# Altium PCB ArmMainControler.PcbDoc (part 2 of 2)
Units mil, origin at the board's own origin, x right, y up, seen from the top; angles counter-clockwise.
Board outline 2865 x 2585 mil, 4 copper layers (Top Layer, Signal, GND, Bottom Layer), stack 23.756 mil thick; 128 components, 137 nets, 490 pads, 288 vias.
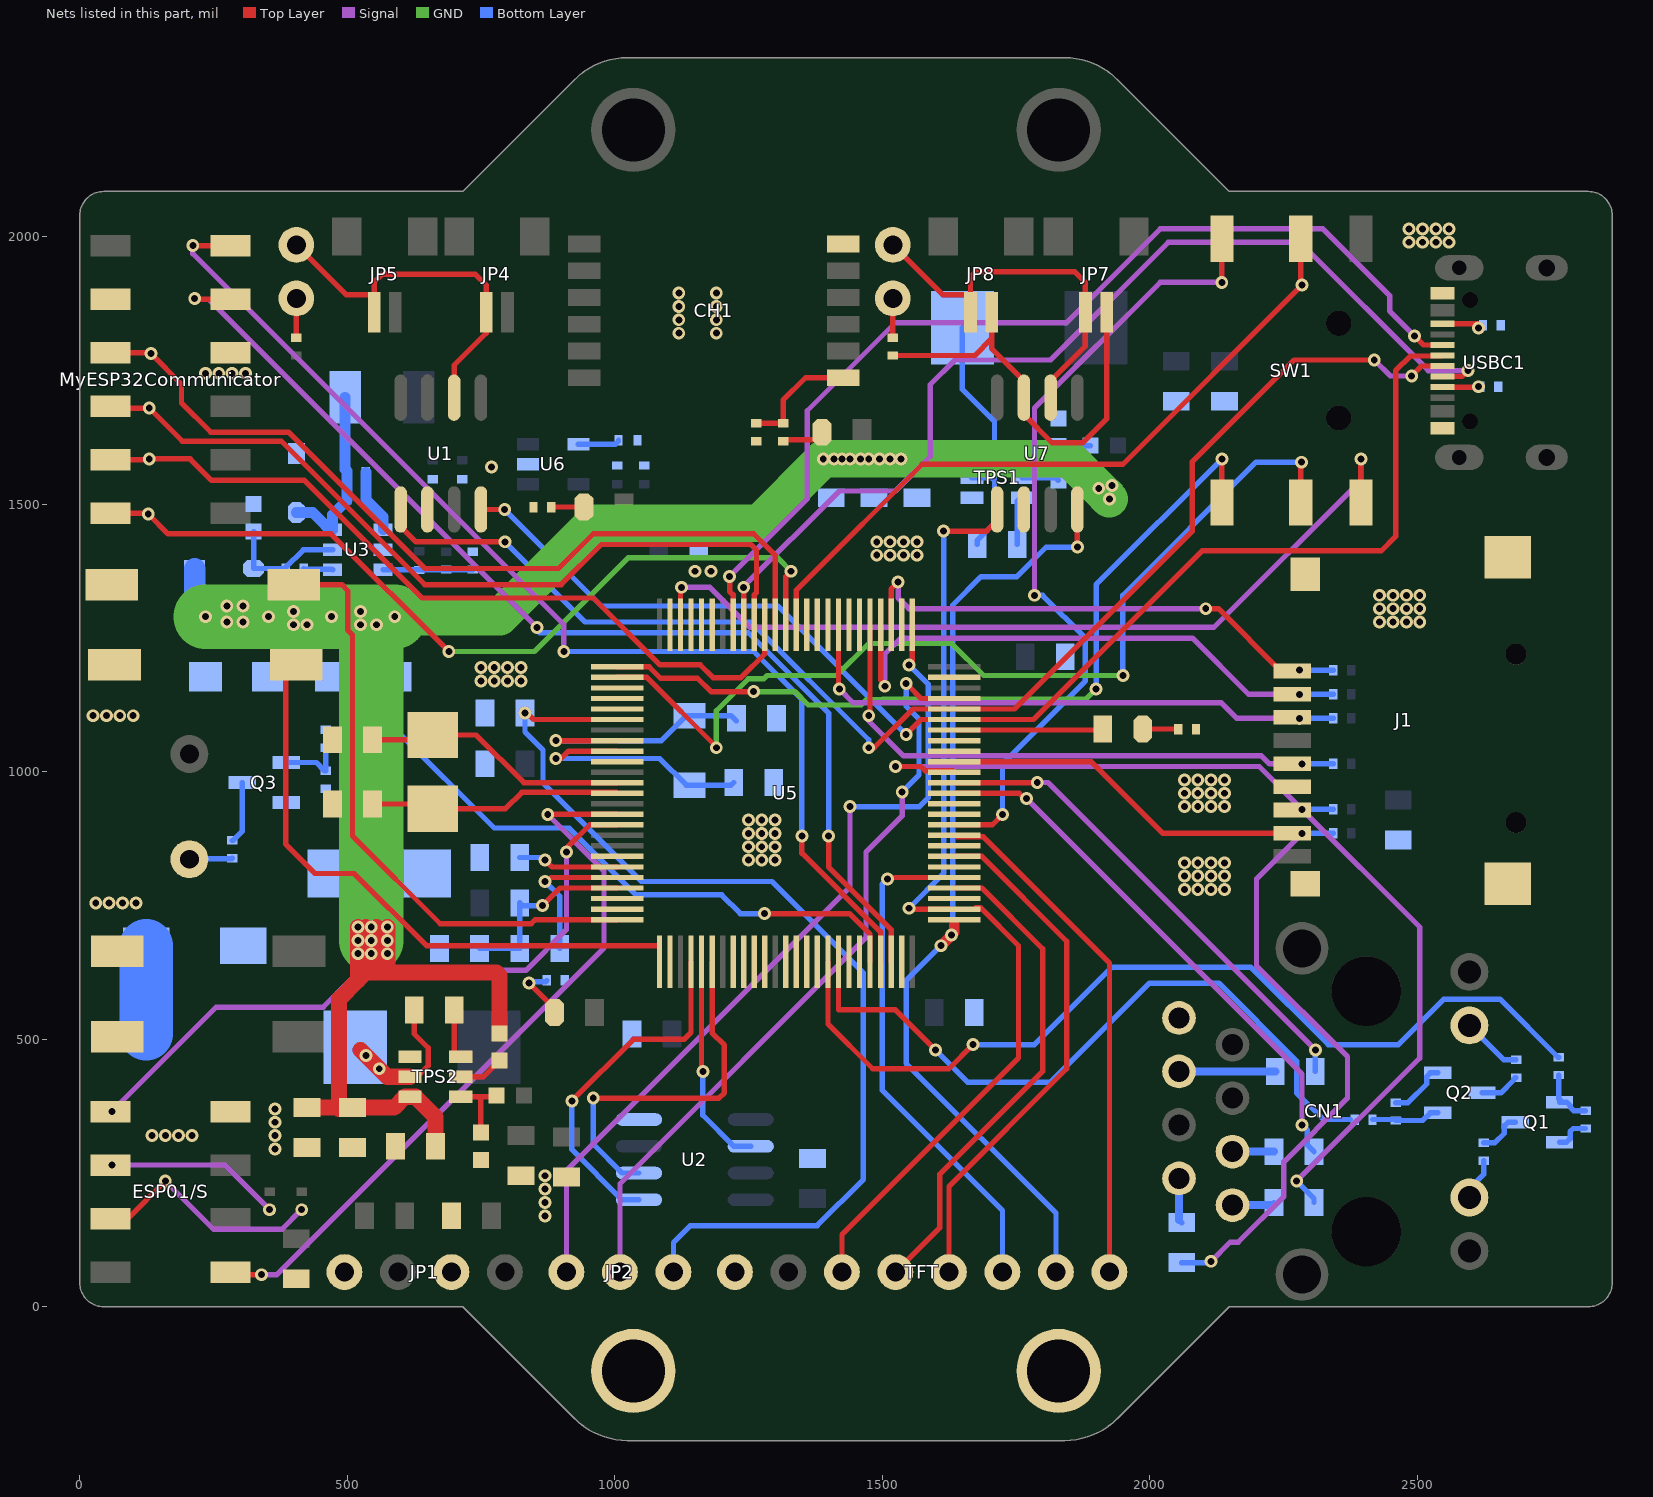
[diagram p4: the nets of this part, all layers, seen from the top]

## Via types
v1: diameter 24, hole 13, Top Layer to Bottom Layer, tented both sides, 288 vias

## Nets (pads, with @x,y where several pads share a name; then routed paths per layer and width w, separated by ;. In a path a pad name is that pad's centre, name@x,y a point inside that pad or via, vN(x,y) a via of type N, cw(c..) or ccw(c..) an arc to the next point about the centre after c; other vN are vias at no path point) (continued)
CAN_H2: JP7.2 JP8.2 R37.1 U7.7 | length 808.4
  Top Layer w10: R37.1@1520,1778.27 1673.27,1778.27 1704.68,1809.68 ; JP8.2@1704.68,1859.13 1704.68,1809.68 ; JP7.2@1919.69,1859.13 1919.69,1659.68 1875,1615 1817.99,1615 1765,1667.99 U7.7@1765,1699.49 1765,1730.98 1704.68,1791.3 1704.68,1809.68
CAN_L1: JP3.2 JP4.1 JP5.1 U1.6 | length 702.9
  Top Layer w10: JP3.2@405,1985 498.46,1891.54 543.5,1891.54 JP5.1@550.32,1884.73 ; JP5.1@550.32,1859.14 JP5.1@550.32,1884.73 ; U1.6@700,1699.49 700,1760 760,1820 JP4.1@760,1858.82 ; JP4.1@760.32,1859.14 JP4.1@760,1858.82 ; JP5.1@550.32,1884.73 550.32,1915.31 565,1930 740,1930 760,1910 JP4.1@760,1858.82
CAN_L2: JP6.2 JP7.1 JP8.1 U7.6 | length 722.9
  Top Layer w10: JP6.2@1520,1985 1613.46,1891.54 1658.5,1891.54 JP8.1@1665.32,1884.73 ; JP8.1@1665.32,1859.14 JP8.1@1665.32,1884.73 ; U7.6@1815,1699.49 1815,1730.98 1880,1795.98 JP7.1@1880,1858.82 ; JP7.1@1880.31,1859.14 JP7.1@1880,1858.82 ; JP8.1@1665.32,1884.73 1665.32,1925.31 1675,1935 1860,1935 1880,1915 JP7.1@1880,1858.82
CAN_RX1: U1.4 U5.70 USBC1.A7 | length 2447.5
  Top Layer w10: U1.4@750,1490.51 v1(794.49,1490.51) v1@795,1490 ; v1(1545,1070) 1572.8,1097.8 U5.70@1634.96,1097.8 1782.8,1097.8 2098.1,1413.1 2433.1,1413.1 2460,1440 2460,1750 2487.38,1777.38 2546.71,1777.38 USBC1.A7@2547.62,1778.29
  Bottom Layer w10: v1(794.49,1490.51) 975,1310 1305,1310 v1(1545,1070)
CAN_RX2: TFT.2 U5.51 U7.4 | length 1769.3
  Top Layer w10: v1(1865,1420) U7.4@1865,1490.51
  Top Layer w20: v1(1610,675) v1(1630,695) 1634.96,699.96 1634.96,715
  Bottom Layer w10: v1(1610,675) 1545,610 1545,455 1825,175 TFT.2@1825,65 ; v1(1630,695) 1632,697 1632,1312 1685,1365 1751.87,1365 1806.87,1420 v1(1865,1420)
CAN_TX1: U1.1 U5.71 USBC1.A6 | length 2555.9
  Top Layer w10: U1.1@600,1490.51 600,1459.02 629.02,1430 v1(795,1430) ; v1(1475,1045) 1485,1045 1557.48,1117.48 U5.71@1634.96,1117.48 1747.48,1117.48 2080,1450 2080,1580 2270,1770 v1(2420,1770) ; v1(2490,1740) 2508.61,1758.61 USBC1.A6@2547.56,1758.61
  Signal w10: v1(2420,1770) 2450,1740 v1(2490,1740)
  Bottom Layer w10: v1(795,1430) 945,1280 1255,1280 1475,1060 v1(1475,1045)
CAN_TX2: TFT.6 U5.52 U7.1 | length 1802.7
  Top Layer w10: TFT.6@1425,65 1425,135 1755,465 1755,674.92 1683.77,746.15 U5.52@1675,746.15 ; v1(1550,745) 1551.54,743.46 U5.52@1634.96,743.46 ; v1(1615,1450) 1695.52,1450 1715,1469.48 U7.1@1715,1490.51
  Bottom Layer w10: v1(1550,745) 1615,810 v1(1615,1450)
EGreen_LED: CN1.10 R15.1 | length 80.1
  Bottom Layer w10: CN1.10@2597.91,204.37 2597.91,220.84 2625,247.92 R15.1@2625,273.27
EYellow_LED: CN1.11 R16.2 | length 113.7
  Bottom Layer w10: CN1.11@2597.91,526.03 2662.2,461.73 R16.2@2685,461.73
flash_CLK: U2.6 U5.30 | length 401.6
  Top Layer w10: U5.30@1162.52,645.04 1162.52,446.27 1165,443.79 v1(1165,440)
  Bottom Layer w10: v1(1165,440) 1165,357.99 1222.99,300 U2.6@1254.49,300
flash_CS: U2.1 U5.29 | length 662.5
  Top Layer w10: v1@920.62,385.63 1035,500 1130,500 1142.83,512.83 U5.29@1142.83,645.04
  Bottom Layer w10: v1(920,385) 920,294.02 1014.02,200 U2.1@1045.51,200
flash_MISO: U2.2 U5.31 | length 697.5
  Top Layer w10: v1(960,390) 1195,390 1205,400 1205,489.02 1182.2,511.81 U5.31@1182.2,645.04
  Bottom Layer w10: v1(960,390) 960,304.02 1014.02,250 U2.2@1045.51,250
GND: BOOT1.1 BUTTON1.1 BUTTON2.1 C1.2 C2.1 C3.1 C4.1 C5.1 C9.2 C10.1 C11.1 C16.2 C17.2 C18.2 C19.2 C20.2 C21.2 C22.2 C23.1 C24.1 C25.1 C26.1 C27.1 C28.1 C29.1 C30.1 C31.1 C32.1 C33.1 C35.2 C36.2 C37.2 C39.1 C40.1 C41.1 C42.2 C43.2 CH1.6 CN1.8 D2.1 D3.1 ESP01/S.8 J1.6 J1.10 JP1.2 JP1.4 MyESP32Communicator.4 MyESP32Communicator.5 pad.@1035,-120 pad.@1830,-120 Q1.2 Q2.2 Q3.2 R2.1 R4.1 R5.1 R8.1 R14.1 R17.1 R18.1 R24.1 R25.1 R28.2 R35.2 R36.1 R40.1 RELOAD.1 RST.1 TFT.8 TPS1.1 TPS2.1 U1.2 U2.4 U3.2 U5.10 U5.19 U5.27 U5.49 U5.74 U5.99 U6.2 U7.2 USBC1.A1 USBC1.A12 USBC1.B1 USBC1.B12 | length 176.7
  Bottom Layer w10: R18.1@2460,381.73 2482.99,381.73 2518.07,416.81 2518.07,430.59 2524.88,437.4 Q2.2@2538.66,437.4 ; Q1.2@2766.34,307.6 2779.34,307.6 2786.15,314.41 2786.15,327.41 2792.01,333.27 R17.1@2815,333.27
  other v1: 870,170 870,195 870,220 870,245 365,295 135,320 160,320 185,320 210,320 365,320 365,345 365,370 30,755 55,755 80,755 105,755 2065,780 2090,780 2115,780 2140,780 2065,805 2090,805 2115,805 2140,805 2065,830 2090,830 2115,830 2140,830 1250,835 1275,835 1300,835 1250,860 1275,860 1300,860 1250,885 1275,885 1300,885 1250,910 1275,910 1300,910 2065,935 2090,935 2115,935 2140,935 2065,960 2090,960 2115,960 2140,960 2065,985 2090,985 2115,985 2140,985 25,1105 50,1105 75,1105 100,1105 750,1170 775,1170 800,1170 825,1170 750,1195 775,1195 800,1195 825,1195 2430,1280 2455,1280 2480,1280 2505,1280 2430,1305 2455,1305 2480,1305 2505,1305 2430,1330 2455,1330 2480,1330 2505,1330 1150,1375 1180,1375 1490,1405 1515,1405 1540,1405 1565,1405 1490,1430 1515,1430 1540,1430 1565,1430 770,1570 235,1745 260,1745 285,1745 310,1745 1120,1820 1190,1820 1120,1845 1190,1845 1120,1870 1190,1870 1120,1895 1190,1895 2485,1990 2510,1990 2535,1990 2560,1990 2485,2015 2510,2015 2535,2015 2560,2015
MyESP-CS: MyESP32Communicator.12 U5.88 | length 1568.9
  Top Layer w10: MyESP32Communicator.12@57.8,1483.61 126.39,1483.61 v1@130,1480 ; v1(128.2,1481.8) 165,1445 470,1445 v1(690,1225) ; U5.88@1320,1274.96 1320,1365 v1(1330,1375)
  GND w10: v1(690,1225) 850,1225 1025,1400 1305,1400 v1(1330,1375)
MyESP-MISO: MyESP32Communicator.10 U5.90 | length 1465.6
  Top Layer w10: MyESP32Communicator.10@57.8,1583.61 128.61,1583.61 v1(130,1585) 206.36,1585 246.36,1545 420,1545 640,1325 960,1325 1085,1200 1160,1200 1184,1176 1236,1176 1280.63,1220.63 U5.90@1280.63,1274.96
MyESP-MOSI: MyESP32Communicator.8 U5.91 | length 1522.5
  Top Layer w10: MyESP32Communicator.8@57.8,1683.61 61.4,1680 v1(130,1680) 192,1618 377,1618 645,1350 900,1350 975,1425 1255,1425 1265.26,1414.74 1265.26,1335.06 1260.94,1330.74 U5.91@1260.94,1274.96
MyESP-RX: MyESP32Communicator.1 U5.47 | length 2151.9
  Top Layer w10: v1@210,1985 v1(211.39,1983.61) MyESP32Communicator.1@282.2,1983.61 ; v1(1350,880) 1350,848.06 1497.17,700.89 U5.47@1497.17,645.04
  Signal w10: v1(211.39,1983.61) 211.39,1968.61 905,1275 v1(905,1225)
  Bottom Layer w10: v1(905,1225) 1260,1225 1350,1135 v1(1350,880)
MyESP-SCLK: MyESP32Communicator.6 U5.89 | length 1606.1
  Top Layer w10: MyESP32Communicator.6@57.8,1783.61 131.39,1783.61 v1@135,1780 ; v1(133.2,1781.8) 190.44,1724.56 190.44,1689.56 245,1635 390.34,1635 645.34,1380 895,1380 960,1445 1260,1445 1300.32,1404.68 U5.89@1300.32,1274.96
MyESP-TX: MyESP32Communicator.3 U5.48 | length 2078
  Top Layer w10: v1(215,1885) 216.39,1883.61 MyESP32Communicator.3@282.2,1883.61 ; v1(1400,880) 1400,822.1 1516.85,705.25 U5.48@1516.85,645.04
  Signal w10: v1(215,1885) 217,1883 242,1883 v1(855,1270)
  Bottom Layer w10: v1@860,1260 1250,1260 1400,1110 v1(1400,880)
Net3V3_2: 3V3.2 R4.2 | length 110.1
  Top Layer w10: v1(840,605) 887.6,557.4 3V3.2@887.6,550
  Bottom Layer w10: v1(840,605) 842.5,607.5 870.77,607.5 R4.2@873.27,610
NetBLE_2: BLE.2 R43.2 | length 80.4
  Top Layer w10: R43.2@1315,1618.27 1317.74,1621.01 1375.1,1621.01 1387.6,1633.51 BLE.2@1387.6,1635
NetC6_1: C6.1 R1.1 R2.2 U3.3 | length 168
  Bottom Layer w10: U3.3@567.24,1377.6 567.58,1377.93 734.67,1377.93 R2.2@735,1378.27
NetC7_1: C7.1 C8.1 D3.2 L1.1 U3.6 | length 342.5
  Bottom Layer w20: D3.2@405,1484.88 435.75,1484.88 460.04,1460.59 460.04,1459.21 466.85,1452.4 U3.6@472.76,1452.4 472.76,1480.79 500,1508.03 C8.1@500,1510 499.79,1510.22 499.79,1559.78 C7.1@499.57,1560 499.57,1561.97 496.1,1565.43 L1.1@496.1,1700
NetC7_2: C7.2 C8.2 U3.1 | length 121
  Bottom Layer w20: C7.2@535,1560 535.21,1559.79 535.21,1510.22 C8.2@535.43,1510 535.43,1508.04 567.24,1476.22 U3.1@567.24,1452.4
NetC11_2: C11.2 D4.2 R3.2 U3.5 | length 232.7
  Bottom Layer w10: C11.2@325,1449.41 325.12,1449.3 D4.2@325.12,1380 R3.2@385,1380 385,1381.97 418.03,1415 U3.5@472.76,1415
NetC30_2: C30.2 U6.4 | length 79.3
  Bottom Layer w10: U6.4@932.24,1612.4 1001.66,1612.4 1007.29,1618.03 C30.2@1007.29,1620
NetC34_1: C34.1 L2.1 TPS1.2 | length 487.9
  Bottom Layer w10: L2.1@1650,1830 1650,1715 1710,1655 1710,1544.14 ; TPS1.2@1667.76,1550 1704.14,1550 1710,1544.14 ; C34.1@1677.6,1425 1677.6,1432.5 1710,1464.91 1710,1544.14
NetC34_2: C34.2 TPS1.6 | length 93.5
  Bottom Layer w10: C34.2@1752.4,1425 1752.4,1505.79 1759.21,1512.6 TPS1.6@1762.24,1512.6
NetC38_1: C38.1 L3.1 TPS2.2 | length 270.9
  Top Layer w10: TPS2.2@617.76,430 624.57,436.81 637.6,436.81 651.41,450.62 651.41,484.18 625.2,510.4 C38.1@625.2,555
  Top Layer w30: 525,480 575,430 TPS2.2@617.76,430
  other v1: 560,445 535,470
NetC38_2: C38.2 TPS2.6 | length 95.9
  Top Layer w10: C38.2@700,555 700,474.21 706.81,467.4 TPS2.6@712.24,467.4
NetCH1_1: CH1.1 R43.1 RELOAD.2 | length 222.7
  Top Layer w10: RELOAD.2@1265,1651.73 R43.1@1315,1651.73 1315,1695 1356.76,1736.76 CH1.1@1427.13,1736.76
NetCN1_1: CN1.1 R10.2 | length 79.7
  Bottom Layer w10: R10.2@2227.6,190 R10.2@2232.6,195
  Bottom Layer w15: CN1.1@2155,190 R10.2@2227.6,190
NetCN1_2: CN1.2 R11.2 | length 84.7
  Bottom Layer w10: R11.2@2055,162.4 R11.2@2060,157.4
  Bottom Layer w15: R11.2@2055,162.4 CN1.2@2055,240
NetCN1_3: CN1.3 R12.2 | length 77.6
  Bottom Layer w15: CN1.3@2155,290 R12.2@2232.6,290
NetCN1_6: CN1.6 R13.2 | length 180
  Bottom Layer w15: CN1.6@2055,440 R13.2@2235,440
NetCORE_2: CORE.2 R14.2 | length 60.9
  Top Layer w10: R14.2@881.73,1495 CORE.2@942.6,1495
NetESP01/S_3: ESP01/S.3 R38.2 | length 438.6
  Top Layer w10: ESP01/S.3@57.8,165 90,165 v1(160,235)
  Signal w10: v1(160,235) 250,145 378.46,145 v1(415,181.54)
NetESP01/S_5: ESP01/S.5 R39.2 | length 329.6
  Signal w10: v1(60,265) 271.54,265 v1(355,181.54)
NetJP3_1: JP3.1 R21.2 | length 73.3
  Top Layer w10: R21.2@405,1811.73 JP3.1@405,1885
NetJP6_1: JP6.1 R37.2 | length 73.3
  Top Layer w10: R37.2@1520,1811.73 JP6.1@1520,1885
NetLED1_2: BLINK.2 R28.1 | length 65.9
  Top Layer w10: BLINK.2@1987.4,1080 R28.1@2053.27,1080
NetLS1_2: LS1.2 R23.2 | length 80.7
  Bottom Layer w10: LS1.2@205,836.58 205.85,837.42 284.15,837.42 R23.2@285,838.27
NetQ1_1: Q1.1 R17.2 R19.2 | length 112
  Bottom Layer w10: R19.2@2765,433.27 2765,389.21 Q1.1@2771.81,382.4 ; Q1.1@2766.34,382.4 Q1.1@2771.81,382.4 ; Q1.1@2773.23,382.4 Q1.1@2771.81,382.4 ; R17.2@2815,366.73 2792.79,366.73 2786.93,372.59 2786.93,375.59 2780.12,382.4 Q1.1@2771.81,382.4
NetQ1_3: Q1.3 R15.2 | length 82.6
  Bottom Layer w10: R15.2@2625,306.73 2645.39,306.73 2663.07,324.41 2663.07,338.19 2669.88,345 Q1.3@2683.66,345
NetQ2_1: Q2.1 R18.2 R20.2 | length 138.6
  Bottom Layer w10: R20.2@2416.73,350 2468.27,350 2470,348.27 ; R18.2@2460,348.27 2470,348.27 ; Q2.1@2538.66,362.6 2524.88,362.6 2510.55,348.27 2470,348.27
NetQ2_3: Q2.3 R16.1 | length 76.5
  Bottom Layer w10: Q2.3@2621.34,400 2656.73,400 2680.16,423.43 2680.16,425.39 2683.03,428.27 R16.1@2685,428.27
NetQ3_1: Q3.1 R22.2 R24.2 | length 123.4
  Bottom Layer w10: Q3.1@386.34,1017.4 442.36,1017.4 458.03,1001.73 R24.2@460,1001.73 R22.2@460,1045
NetQ3_3: Q3.3 R23.1 | length 117.2
  Bottom Layer w10: R23.1@285,871.73 286.97,871.73 303.66,888.43 Q3.3@303.66,980
NetR3_1: R3.1 U3.4 | length 55.3
  Bottom Layer w10: R3.1@418.46,1380 419.67,1378.8 471.56,1378.8 U3.4@472.76,1377.6
NetR25_2: R25.2 R26.2 TPS1.4 | length 136.5
  Bottom Layer w10: TPS1.4@1762.24,1587.4 1807.99,1587.4 R25.2@1830,1609.41 1888.83,1609.41 R26.2@1889.41,1610
NetR27_1: R27.1 TPS1.5 | length 69.2
  Bottom Layer w10: TPS1.5@1762.24,1550 1824.41,1550 R27.1@1829.41,1545
NetR35_1: R35.1 USBC1.B5 | length 73.4
  Top Layer w10: USBC1.B5@2547.56,1837.35 2612.65,1837.35 2615,1835 v1(2615,1830)
NetR36_2: R36.2 USBC1.A5 | length 67.8
  Top Layer w10: USBC1.A5@2547.56,1719.24 2614.24,1719.24 v1(2615,1720)
NetR40_2: R40.2 R41.2 TPS2.4 | length 137.4
  Top Layer w10: TPS2.4@712.24,392.6 744.63,392.6 ; R40.2@750,325.59 750,387.22 744.63,392.6 ; R41.2@779.41,395 777.01,392.6 744.63,392.6
NetR42_1: R42.1 TPS2.5 | length 85.2
  Top Layer w10: TPS2.5@712.24,430 755,430 R42.1@785,460
OSC32_IN: C23.2 U5.8 X1.2 | length 476
  Top Layer w10: v1(890,1058.43) U5.8@1005.04,1058.43
  Bottom Layer w10: v1(890,1058.43) 1087.56,1058.43 1134.09,1104.96 X1.2@1140,1104.96 1217.64,1104.96 C23.2@1227.6,1095
OSC32_OUT: C24.2 U5.9 X1.1 | length 476.1
  Top Layer w10: v1(890,1025) 900,1025 913.74,1038.74 U5.9@1005.04,1038.74
  Bottom Layer w10: v1(890,1025) 1084.13,1025 1134.09,975.04 X1.1@1140,975.04 1217.64,975.04 C24.2@1222.6,980
OSC_IN: C25.2 U5.12 X2.2 | length 498.3
  Top Layer w10: C25.2@547.4,1060 651.1,1060 X2.2@660,1068.9 741.1,1068.9 830.32,979.69 U5.12@1005.04,979.69
OSC_OUT: C26.2 U5.13 X2.1 | length 474.7
  Top Layer w10: C26.2@547.4,940 651.11,940 X2.1@660,931.1 796.1,931.1 826.66,961.66 1003.38,961.66 U5.13@1005.04,960
PA0: U5.23
PA1: U5.24
PA2: BUTTON1.2 U5.25 | length 1134.5
  Top Layer w10: BUTTON1.2@400,1350 490,1350 501,1339 501,1265.06 510,1256.06 510,880 674,716 844.05,716 851.83,723.78 U5.25@1005.04,723.78
PA3: BUTTON2.2 U5.26 | length 1150.7
  Top Layer w10: BUTTON2.2@405,1200 385,1180 385,865 440,810 513.18,810 648.18,675 1083.78,675 U5.26@1083.78,645.04
PA8: U5.67
PA9: U5.68
PA10: BLINK.1 U5.69 | length 278.4
  Top Layer w10: U5.69@1634.96,1078.11 1910.71,1078.11 BLINK.1@1912.6,1080
PA14: JP2.3 U5.76 | length 1583.6
  Top Layer w10: v1(1550,1200) 1556.22,1206.22 U5.76@1556.22,1274.96
  Signal w10: JP2.3@910,65 910,255 1440,785 v1(1440,935)
  Bottom Layer w10: v1(1440,935) 1570,935 1586,951 1586,1164 v1(1550,1200)
PA15: U5.77
PB0: U5.35
PB1: U5.36
PB6: U5.92 USBC1.B7 | length 1921.6
  Top Layer w10: U5.92@1241.26,1274.96 v1(1241.26,1345) ; USBC1.B7@2547.62,1738.92 2583.92,1738.92 v1(2595,1750)
  Signal w10: v1(1241.26,1345) 1241.26,1346.26 1420,1525 1525,1525 1590,1590 1590,1724.14 1635.86,1770 1815,1770 2035,1990 2281.06,1990 2521.06,1750 v1(2595,1750)
PB7: U5.93 USBC1.B6 | length 1898.1
  Top Layer w10: v1(1215,1365) 1215,1337.32 1221.57,1330.74 U5.93@1221.57,1274.96 ; v1(2495,1815) 2512.02,1797.98 USBC1.B6@2547.56,1797.98
  Signal w10: v1(1215,1365) 1360,1510 1360,1675 1524.54,1839.54 1844.54,1839.54 2020,2015 2323.94,2015 2448.63,1890.31 2448.63,1861.37 v1(2495,1815)
PB8: U5.95
PB9: U5.96
PB14: U5.53
PB15: TFT.5 U5.54 | length 930.3
  Top Layer w10: TFT.5@1525,65 1608,148 1608,248 1800,440 1800,669.29 1686.46,782.83 U5.54@1634.96,782.83
PC0: ESP01/S.2 U5.15 | length 1375.7
  Top Layer w10: ESP01/S.2@282.2,65 287.2,60 v1(340,60) ; v1(875,920) 875.63,920.63 U5.15@1005.04,920.63
  Signal w10: v1(340,60) 368.94,60 980,671.06 980,815 v1(875,920)
PC1: ESP01/S.7 U5.16 | length 1256.3
  Top Layer w10: v1(910,850) 910,857.4 953.54,900.95 U5.16@1005.04,900.95
  Signal w10: v1(60,365) 255,560 455,560 524,629 834,629 910,705 v1(910,850)
PC4: U5.33
PC5: U5.34
PC6: R12.1 U5.63 | length 1021.8
  Top Layer w10: U5.63@1634.96,960 1756.21,960 1766.21,950 v1(1770,950)
  Signal w10: v1(1770,950) 2285,435 v1(2285,340)
  Bottom Layer w10: v1(2285,340) 2294.9,330.1 2294.9,302.5 R12.1@2307.4,290
PC7: R13.1 U5.64 | length 922.4
  Top Layer w10: U5.64@1634.96,979.69 1789.69,979.69 v1(1790,980)
  Signal w10: v1(1790,980) 1810,980 v1(2310,480)
  Bottom Layer w10: R13.1@2309.8,440 2309.8,479.8 v1(2310,480)
PC8: J1.7 R10.1 R33.1 U5.65 | length 1900.7
  Top Layer w10: v1(1525,1010) 1572.83,1010 1580.78,1002.06 1632.28,1002.06 U5.65@1634.96,999.37
  Signal w10: v1(1525,1010) 2205,1010 v1(2285,930) 2505,710 2505,464.9 v1(2275,234.9)
  Bottom Layer w10: v1@2275,235 v1(2275,234.9) 2307.4,202.5 R10.1@2307.4,195 ; v1(2285,930) R33.1@2343.27,930
PC9: J1.8 R11.1 R34.1 U5.66 | length 1821.3
  Top Layer w10: U5.66@1634.96,1019.06 1890.83,1019.06 2024.53,885.35 J1.8@2266.61,885.35
  Signal w10: v1(2115,85) 2150.61,120.61 2165.57,120.61 2251,206.04 2251,271 2370,390 2370,467.5 2200,637.5 2200,800 v1(2285,885)
  Bottom Layer w10: R11.1@2060,82.6 2112.6,82.6 v1(2115,85) ; v1(2285,885) R34.1@2343.27,885
PC10: J1.1 R29.1 U5.78 | length 971.9
  Top Layer w10: U5.78@1516.85,1274.96 1516.85,1341.85 v1(1530,1355) ; v1(2105,1305) 2128.46,1305 2244.96,1188.5 J1.1@2266.61,1188.5
  Signal w10: v1(1530,1355) 1530,1325 1550,1305 v1(2105,1305)
  Bottom Layer w10: v1(2280,1190) R29.1@2343.27,1190
PC11: J1.2 R30.1 U5.79 | length 1072.4
  Top Layer w10: U5.79@1497.17,1274.96 1497.17,1171.62 1505,1163.79 v1(1505,1160)
  Signal w10: v1(1505,1160) 1505,1220 1535,1250 2080,1250 2185,1145 v1(2280,1145)
  Bottom Layer w10: v1(2280,1145) R30.1@2343.27,1145
PC12: J1.5 R32.1 U5.80 | length 1082.4
  Top Layer w10: v1(1475,1105) 1477.48,1107.48 U5.80@1477.48,1274.96
  Signal w10: v1(1475,1105) 1475,1095 1540,1030 2209.04,1030 2224.04,1015 v1(2285,1015)
  Bottom Layer w10: v1(2285,1015) R32.1@2343.27,1015
PD0: U5.81
PD1: U5.82
PD2: J1.3 R31.1 U5.83 | length 1066.7
  Top Layer w10: U5.83@1418.43,1274.96 1418.43,1156.57 v1(1420,1155)
  Signal w10: v1(1420,1155) 1446,1129 2134.08,1129 2163.08,1100 v1(2280,1100)
  Bottom Layer w10: v1(2280,1100) R31.1@2343.27,1100
PD3: U5.84
PD4: U5.85
PD5: U5.86
PD6: SW1.2 U5.87 | length 1333.8
  Top Layer w10: U5.87@1339.69,1274.96 1339.69,1339.69 1355,1355 1575,1575 1950,1575 v1(2285,1910) 2282.72,1912.28 SW1.2@2282.72,1996.54
PD8: TFT.3 U5.55 | length 958.3
  Top Layer w10: v1(1510,800) 1512.52,802.52 U5.55@1634.96,802.52
  Bottom Layer w10: v1(1510,800) 1500,790 1500,405 1725,180 TFT.3@1725,65
PD9: U5.56
PD10: TFT.4 U5.57 | length 985.2
  Top Layer w10: TFT.4@1625,65 1625,225 1845,445 1845,683.35 1686.46,841.89 U5.57@1634.96,841.89
PD11: U5.58
PD12: TFT.1 U5.59 | length 960.4
  Top Layer w10: U5.59@1640,878.58 1689.14,878.58 1925,642.72 TFT.1@1925,65
PD13: SW1.3 U5.60 | length 1499.2
  Top Layer w10: U5.60@1634.96,900.95 1705.95,900.95 v1(1725,920) ; v1(2135,1915) 2135.08,1915.08 SW1.3@2135.08,1996.54
  Signal w10: v1(1785,1330) 1785,1680 2020,1915 v1(2135,1915)
  Bottom Layer w10: v1(1725,920) 1725,1015 1880,1170 1880,1250 1800,1330 v1(1785,1330)
PD14: U5.61
PD15: U5.62
PE0: U5.97
PE1: SW1.6 U5.98 | length 1607.3
  Top Layer w10: U5.98@1123.15,1274.96 1123.15,1343.15 v1(1125,1345) ; SW1.6@2394.92,1503.46 2394.92,1584.92 v1(2395,1585)
  Signal w10: v1(1125,1345) 1177.99,1345 1252.99,1270 2120,1270 2395,1545 v1(2395,1585)
PE2: SW1.4 U5.1 | length 1545.7
  Top Layer w10: U5.1@1005.04,1196.22 1064.74,1196.22 1085.96,1175 1155,1175 1180,1150 v1(1260,1150) ; v1@2135,1585 v1(2135.08,1584.92) SW1.4@2135.08,1503.46
  GND w10: v1(1260,1150) 1336.89,1150 1361.89,1125 1461.06,1125 1471.06,1135 1500,1135 1501,1136 1881,1136 v1(1900,1155)
  Bottom Layer w10: v1(1900,1155) 1900,1349.84 v1(2135.08,1584.92)
PE3: SW1.5 U5.2 | length 1811
  Top Layer w10: U5.2@1005.04,1176.54 1060.38,1176.54 1190,1046.92 v1(1190,1045) ; SW1.5@2282.72,1503.46 2282.72,1577.72 v1(2283.86,1578.86) v1@2285,1580
  GND w10: v1(1190,1045) 1190,1113.94 1250.06,1174 1279,1174 1285,1180 1415,1180 1475,1240 1630,1240 1690,1180 v1(1950,1180)
  Bottom Layer w10: v1(1950,1180) 1950,1330 2198.86,1578.86 v1(2283.86,1578.86)
PE4: U5.3
PE5: U5.4
PE6: U5.5
PE7: U5.38
PE8: U5.39
PE9: U5.40
PE10: U5.41
PE11: R19.1 U5.42 | length 1736.1
  Top Layer w10: U5.42@1398.74,645.04 1398.74,528.74 1482.48,445 1625,445 v1(1670,490)
  Bottom Layer w10: v1(1670,490) 1785,490 1930,635 2188.94,635 2333.94,490 2465,490 2550,575 2654.76,575 2763.03,466.73 R19.1@2765,466.73
PE12: R20.1 U5.43 | length 1319.6
  Top Layer w10: U5.43@1418.43,645.04 1418.43,555 1525,555 v1(1600,480)
  Bottom Layer w10: v1(1600,480) 1660,420 1815,420 2000,605 2129.47,605 2275,459.47 2275,400 2325,350 2375,350
PE13: U5.44
PE14: U5.45
PE15: R22.1 U5.46 | length 1227.2
  Top Layer w10: v1(1280,735) 1439.02,735 1477.48,696.54 U5.46@1477.48,645.04
  Bottom Layer w10: R22.1@460,1078.46 591.54,1078.46 775,895 915,895 1040,770 1200,770 1235,735 v1(1280,735)
SWDIO: JP2.2 U5.72 | length 1435.9
  Top Layer w10: v1@1550,1160 1572.83,1137.17 U5.72@1634.96,1137.17
  Signal w10: JP2.2@1010,65 1010,230 1470,690 1470,850 1537.5,917.5 v1(1537.5,962.5)
  Bottom Layer w10: v1(1537.5,962.5) 1569,994 1569,1098.64 1545,1122.64 v1(1545,1165)
VBAT: C16.1 JP2.1 U5.6 | length 1913.4
  Top Layer w10: v1(832.4,1110) 836.19,1110 848.39,1097.8 U5.6@1005.04,1097.8
  Bottom Layer w10: v1(832.4,1110) 832.4,1074.47 866,1040.87 866,979 1050,795 1293.94,795 1465,623.94 1465,238.13 1378.44,151.56 1141.56,151.56 1110,120 JP2.1@1110,65
VCC: C2.2 C3.2 C4.2 C5.2 C31.2 C32.2 C33.2 C39.2 C40.2 C41.2 D1.2 D2.2 D4.1 R27.2 R42.2 TPS1.3 TPS2.3 | length 4527.2
  Top Layer w30: C39.2@425,372.4 485,372.4 ; 485,370 485,372.4 ; v1(520,710) v1(520,685) v1(520,660) 520,610 ; v1@535,710 535,625 ; v1@555,710 555,625 ; v1(575,710) v1(575,685) v1(575,660) 575,625 ; C41.2@665,300 665,355.2 627.6,392.6 TPS2.3@617.76,392.6 607.91,392.6 587.71,372.4 C40.2@510,372.4 485,372.4 ; R42.2@785,511.18 785,619.14 779.14,625 575,625 ; 485,372.4 485,575 520,610 ; 520,610 535,625 ; 535,625 555,625 ; 555,625 575,625
  GND w70: v1(589,1290) 785,1290 960,1465 1270,1465 v1(1390,1585) v1(1410,1585) v1(1425,1585) v1(1440,1585) v1(1460,1585) v1(1475,1585) v1(1495,1585) v1(1515,1585) v1(1535,1585) 1850,1585 v1(1905,1530) v1(1925,1510)
  GND w120: v1(235,1290) v1(353,1290) v1(471,1290) v1(589,1290) ; v1(545,685) v1(545,710) 545,1285
  Bottom Layer w10: C3.2@214.88,1310.12 v1(235,1290)
  Bottom Layer w30: C31.2@1405,1587.4 1425,1587.4 1475,1587.4 TPS1.3@1667.76,1587.4
  Bottom Layer w40: C3.2@214.88,1310.12 D4.1@214.88,1380 ; R27.2@1880.59,1545 1900,1545 1910.39,1538.08 1915,1535 v1@1930,1520
  Bottom Layer w60: v1(235,1290) v1(353,1290) 400,1290 v1(471,1290) v1(589,1290)
  other v1: 545,660 400,1275 425,1275 525,1275 555,1275 275,1280 305,1280 400,1300 525,1300 275,1310 305,1310 1930,1535
VCC_IN: D1.1 | length 165.2
  Bottom Layer w10: 124.45,510.55 125,510
  Bottom Layer w100: 124.45,510.55 D1.1@124.45,675
VDDA: C18.1 R6.2 R7.2 U5.22 | length 358.5
  Top Layer w10: v1(865,750) 897.83,782.83 U5.22@1005.04,782.83
  Bottom Layer w10: C18.1@747.4,670 822.2,670 R6.2@822.4,670.2 ; R6.2@822.6,670 R6.2@822.4,670.2 ; v1(865,750) 827.4,750 R7.2@822.4,755 R6.2@822.4,670.2
VREF+: R6.1 U5.21 | length 274.5
  Top Layer w10: v1(870,795) 873.79,795 881.31,802.52 U5.21@1005.04,802.52
  Bottom Layer w10: v1(870,795) 897.4,767.6 R6.1@897.4,670
VREF-: R5.2 U5.20 | length 190
  Top Layer w10: v1(870,835) 882.8,822.2 U5.20@1005.04,822.2
  Bottom Layer w10: R5.2@822.4,840 861.21,840 866.21,835 v1(870,835)
pads on no net: CH1.3 CH1.4 CH1.8 CH1.9 CN1.0 CN1.7 CN1.13 CN1.14 ESP01/S.4 ESP01/S.6 J1.0 J1.9 JP4.0 JP5.0 JP7.0 JP8.0 MyESP32Communicator.9 MyESP32Communicator.11 SW1.0 U1.5 U1.8 U5.73 U7.5 U7.8 USBC1. USBC1.0 USBC1.A8 USBC1.B8

## Polygon pours and split planes (outlines as drawn)
GND on Bottom Layer "Bottom Layer-GND" (solid, pour order 32): 0,50 ccw(c50,50) 50,0 2815,0 ccw(c2815,50) 2865,50 2865,2035 ccw(c2815,2035) 2815,2085 45,2085 ccw(c45,2040) 0,2040
GND on Bottom Layer "Bottom Layer-GND 1" (solid, pour order 22): 715,0 935.71,-220.71 ccw(c1006.42,-150) 1006.42,-250 1858.58,-250 ccw(c1858.58,-150) 1929.29,-220.71 2141.46,-8.54 ccw(c2132.93,0) 2145,0
VCC on Bottom Layer "Bottom Layer-VCC" (solid, pour order 4): 260,730 260,635 595,635 595,730 525,730 525,875 420,875 415,870
VCC_IN on Bottom Layer "Bottom Layer-VCC_IN" (solid, pour order 2): 0,565 325,565 325,395 0,395
no net on Bottom Layer "Bottom Layer-No Net" (solid, pour order 0): 0,610
GND on Top Layer "Top Layer-GND" (solid, pour order 26): 0,50 ccw(c50,50) 50,0 2815,0 ccw(c2815,50) 2865,50 2865,2035 ccw(c2815,2035) 2815,2085 50,2085 ccw(c50,2035) 0,2035
GND on Top Layer "Top Layer-GND 1" (solid, pour order 16): 720,0 940.71,-220.71 ccw(c1011.42,-150) 1011.42,-250 1853.58,-250 ccw(c1853.58,-150) 1924.29,-220.71 2145,0
GND on Signal "Signal-GND" (solid, pour order 28): 0,2040 0,50 ccw(c50,50) 50,0 2815,0 ccw(c2815,50) 2865,50 2865,2035 ccw(c2815,2035) 2815,2085 45,2085 ccw(c45,2040)
GND on Signal "Signal-GND 1" (solid, pour order 18): 720,0 940.71,-220.71 ccw(c1011.42,-150) 1011.42,-250 1853.58,-250 ccw(c1853.58,-150) 1924.29,-220.71 2145,0
GND on GND "GND-GND" (solid, pour order 30): 0,50 ccw(c50,50) 50,0 2815,0 ccw(c2815,50) 2865,50 2865,2035 ccw(c2815,2035) 2815,2085 45,2085 ccw(c45,2040) 0,2040
GND on GND "GND-GND 1" (solid, pour order 20): 715,0 935.71,-220.71 ccw(c1006.42,-150) 1006.42,-250 1853.58,-250 ccw(c1853.58,-150) 1924.29,-220.71 2145,0

## Other copper
Multi-Layer:
  pour cut-out: 807.5,2170 807.5,2005 1642.5,2005 1642.5,2170

## Silkscreen, mask and mechanical layers (free items; w line width, h text height)
Top Overlay:
  drawing of 922 lines, arcs and shapes, not listed
  text "1" at 675,1805 h25
  text "2" at 1795,1805 h25
  text "L H" at 540,1770 h25
  text "L H" at 750,1770 h25
  text "L H" at 1655,1765 h25
  text "L H" at 1865,1765 h25
  text "V1.0" at 1660,585 h60
  text "GND 3V3 GND BOOT0" at 1275,320 h25
  text "CLK DIO VBAT" at 1275,230 h25
  text "GND 3V3 SCK MOSI RST DC  CS  BL" at 1195,135 h25
Bottom Overlay:
  text "VCC" at 335,395 h60 r270
  text "GND" at 335,25 h60 r270
Bottom Solder:
  rectangle: 10,25 315,175
  rectangle: 10,405 315,555
Mechanical 1:
  lines w10: 2820,0 ccw(c2820,45) 2865,45 2865,2040 ccw(c2820,2040) 2820,2085 2148.75,2085 1939.38,2294.38 ccw(c1841.3,2196.3) 1841.3,2335 ; 2820.16,0 2148.75,0 1939.38,-209.38 cw(c1841.3,-111.3) 1841.3,-250 ; 45,2085 ccw(c45,2040) 0,2040 0,1835 0,50 0,45 ccw(c45,45) 45,0 716.25,0 925.62,-209.38 ccw(c1023.7,-111.3) 1023.7,-250 1841.3,-250 ; 45,2085 716.25,2085 925.62,2294.38 cw(c1023.7,2196.3) 1023.7,2335 1841.3,2335 ; 45,2085 45,2085 ; 1841.3,-250 1841.3,-250 ; 1841.3,2335 1841.3,2335

## Text inside footprints (layer, text, board x,y; h text height)
CN1: Top Overlay "Y" at 2655,495.2 h31.5 r270; Top Overlay "G" at 2655,270.2 h31.5 r270
J1: Top Overlay "1" at 2355,1184.5 h30 r90; Top Overlay "2" at 2355,1141.5 h30 r90; Top Overlay "3" at 2355,1099.5 h30 r90; Top Overlay "4" at 2355,1052.5 h30 r90; Top Overlay "5" at 2355,1010.5 h30 r90; Top Overlay "6" at 2355,968.5 h30 r90; Top Overlay "7" at 2355,926.5 h30 r90; Top Overlay "8" at 2355,882.5 h30 r90; Top Overlay "k" at 2355,832.52 h30 r90
MyESP32Communicator: Top Overlay "11" at 200,1413.61 h40 r270